# Altium PCB TIDA-010933-RevA.PcbDoc (part 4 of 9) (continued)
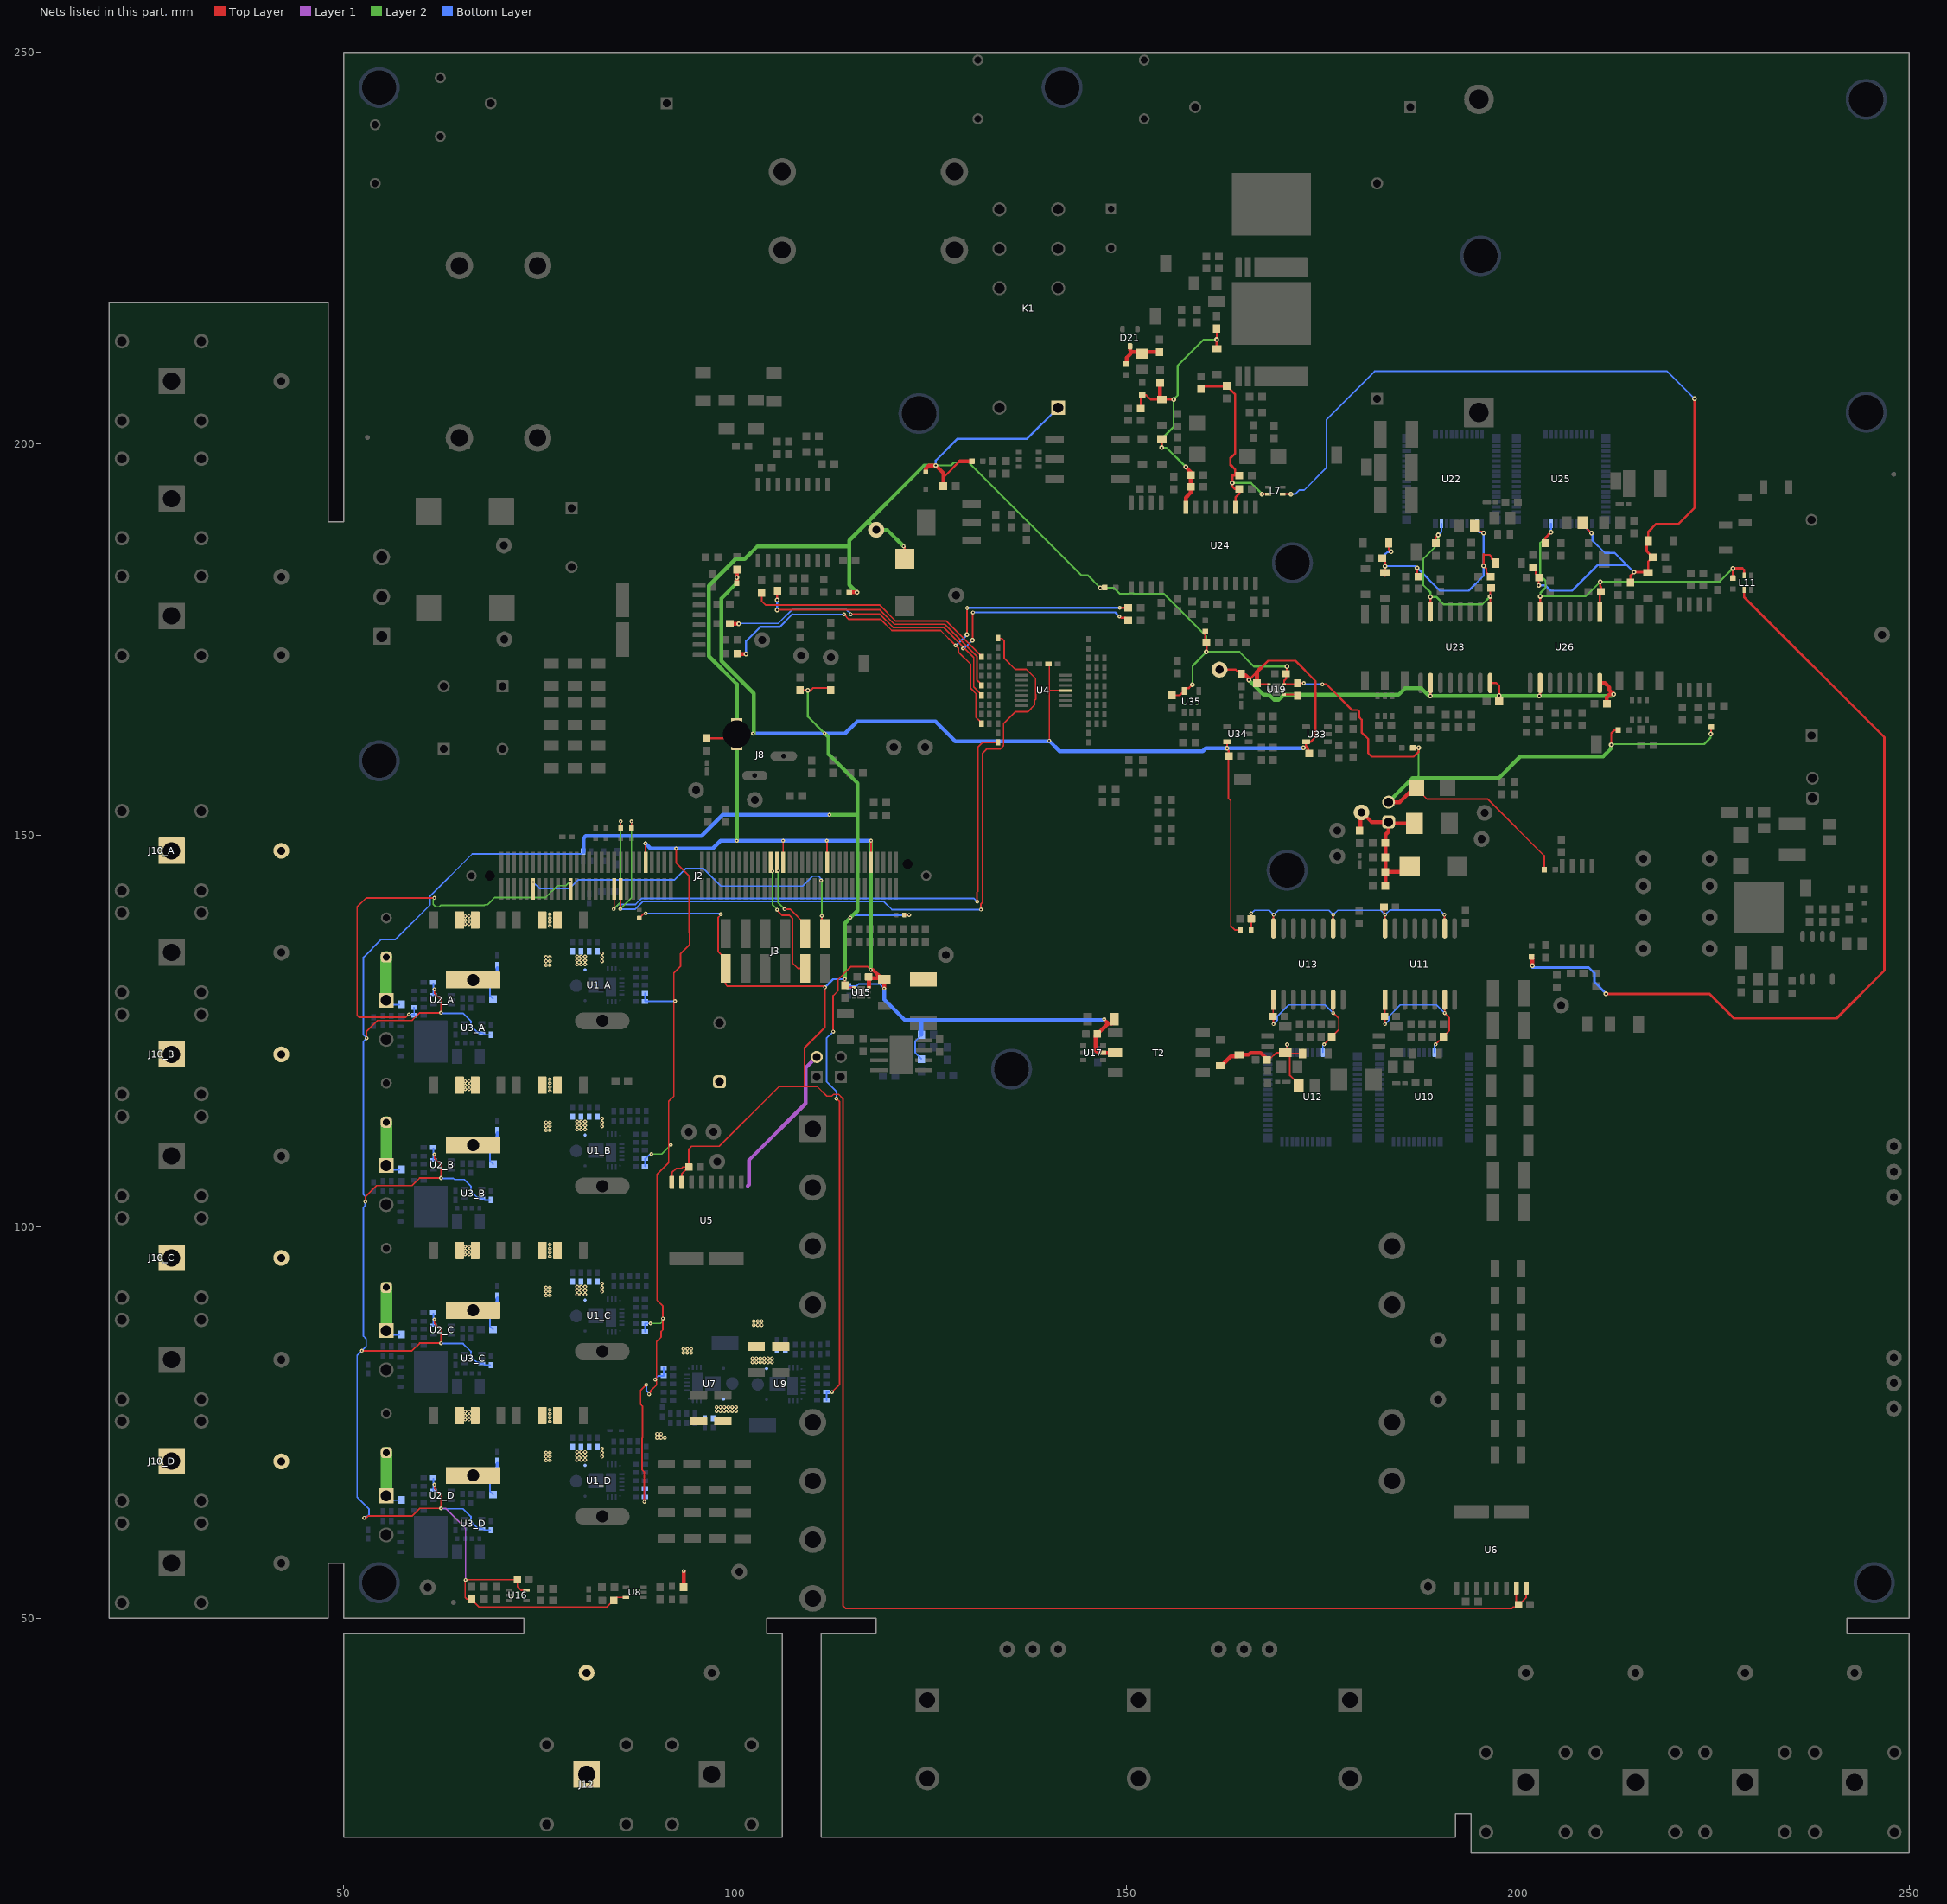
[diagram p6: the nets of this part, all layers, seen from the top]
## Part data (continued)
R139: library part CMP-0023404-3, "RES, 10.0 k, 0.1%, 0.1 W, 0603", Manufacturer="Susumu Co Ltd", Power_W=100mW, Supplier Part Number 1=RG16P10.0KBCT-ND, TempCo="25 ppm/C", Tolerance_%=0.1%, Value2=0.1W, Value_Code=10k0, ValueDisplayed=10.0k, AEC Category=Q200, AEC Qualified=?, ComponentLink1Description="Datasheet link", ComponentLink1URL=http://www.susumu.co.jp/english/pdf/products-j01-01.pdf, CompType=Resistor, EIA_Code=E192, LatestRevisionDate=2017-03-09, MountType=SMT, PackageReference=0603, PartNumber=RG1608P-103-B-T5, Published=2008-06-26, Publisher="Texas Instruments", Res_ohm=10k, RoHS=Y, SizeArea_mm2=1.28, SizeX_mm=1.6, SizeY_mm=0.8, SizeZ_mm=1, Supplier 1=Digi-Key, Supplier 2=Mouser, Supplier 3=Farnell, Supplier Part Number 2=754-RG1608P-103-B-T5, Supplier Part Number 3=1797079, Technology="Metal Film", U/M=EA, Value1=0.1%, VDC_V=75V
R141 R142 R143 R144: library part CMP-0023661-3, "RES, 10.0, 0.1%, 0.1 W, 0603", Manufacturer="Yageo America", Power_W=100mW, TempCo="25 ppm/C", Tolerance_%=0.1%, Value2=0.1W, Value_Code=10R0, ValueDisplayed=10.0, AEC Category=Q200, AEC Qualified=?, ComponentLink1Description="Datasheet link", ComponentLink1URL=http://www.yageo.com/pdf/PYu-RT_1-to-0.05_RoHS_L_3.pdf, CompType=Resistor, EIA_Code=E192, LatestRevisionDate=2017-03-09, MountType=SMT, PackageReference=0603, PartNumber=RT0603BRD0710RL, Published=2008-06-26, Publisher="Texas Instruments", Res_ohm=10, RoHS=Y, SizeArea_mm2=1.28, SizeX_mm=1.6, SizeY_mm=0.8, SizeZ_mm=1, Technology="Thin Film", U/M=EA, Value1=0.1%, VDC_V=75V
R146: library part CMP-0097004-1, "PTCEL Series 500 V 60 Ohm ±30 % Radial Inrush Current Limiter PTC Thermistor", Digikey Part Number=BC3317-ND, Hold Current=120mA, Manufacturer="Vishay Bccomponents", Mouser Part Number=594-PTCEL13R600LBE, Operating Temperature Range="-40°C to +105°C", Tolerance_%=30%, AEC Grade="Grade 2", AEC Qualified=Yes, ComponentLink1Description=Datasheet, ComponentLink1URL=https://www.vishay.com/docs/29165/ptcel.pdf, datasheet=https://www.vishay.com/docs/29165/ptcel.pdf, Datasheet Path=datasheets/Res-PTCEL13R600LBE.pdf, Digikey Description="ICL 60 OHM 13MM", helpURL=https://upverter.com/upn/revision/a41b570dcde4aa83/, Lead Free=Yes, PackageReference=RADIAL, Part Number=PTCEL13R600LBE, PartNumber=PTCEL13R600LBE, Res_ohm=60Ω, RoHS=TRUE, Series=PTCEL, SizeZ_mm=17mm, VDC_V=500V
T1: library part CMP-0121418-1, "TRANSFORMER", Manufacturer=Bourns, Operating Temperature Range="-40°C to +125°C", AEC Qualified=No, Datasheet Path=datasheets/Trans-181923.pdf, helpURL=https://upverter.com/upn/revision/4416aa2755af3085/, Ind_H=6µH, Lead Free=Yes, Ns1toNp=3:8, PackageReference=PTH_TRANSFORMER_74MM0_60MM0, Part Number=181923, PartNumber=181923, RoHS=TRUE, SizeZ_mm=28mm
T2: library part CMP-0092459-1, "Forward, Push-Pull Converters For For DC/DC Converters SMPS Transformer 2500Vrms Isolation 400kHz Surface Mount", Digikey Part Number=732-750316819CT-ND, Frequency_Fixed=400kHz, Manufacturer="Wurth Electronics", Mouser Part Number=710-750316819, Operating Temperature Range="-40°C to +125°C", Voltage_Isolation_Vrms=2.5kV, AEC Qualified=No, ComponentLink1Description=Datasheet, ComponentLink1URL=https://www.we-online.com/catalog/datasheet/750316819.pdf, datasheet=https://www.we-online.com/catalog/datasheet/750316819.pdf, Datasheet Path=datasheets/Trans-750316819.pdf, DCR_ohm=0.1, Digikey Description="PUSH-PULL TRANSFORMER TOR5.8/3.1", helpURL=https://upverter.com/upn/revision/523575a3b899e5cb/, Ind_H=86µH, Lead Free=Yes, Ns1toNp=1:2.88, PackageReference=SMT_XFRMR_9MM25_8MM30, Part Number=750316819, PartNumber=750316819, RoHS=TRUE, Rsec1_ohm=0.35, SizeZ_mm=4.1mm, Supplier 1=Digikey, Supplier 2=Mouser, Supplier Part Number 1=732-750316819CT-ND, Supplier Part Number 2=710-750316819
T3 T4 T5: library part CMP-0037531-1, "Power Transformer 1: 1.3 3100Vrms 2W 6 Terminal Gull Wing SMD", Digikey Part Number=118-PAD002-T764113SCT-ND, Manufacturer=Bourns, Mouser Part Number=652-PAD002-T764113S, Operating Temperature Range="-40°C to +125°C", Voltage_Isolation_Vrms=3100Vrms, AEC Qualified=No, ComponentLink1Description=Datasheet, ComponentLink1URL=https://bourns.com/docs/product-datasheets/PAD00x-T764.pdf, datasheet=https://bourns.com/docs/product-datasheets/PAD00x-T764.pdf, Datasheet Path=datasheets/Trans-PAD002-T764113S.pdf, DCR_ohm=0.65, Digikey Description="PUSH-PULL FUNC-INSULTN 5V 1:1.3", helpURL=https://upverter.com/upn/revision/0b477b52e0d4fb3f/, Ind_H=475µH, Lead Free=Yes, Ns1toNp=1:1.3, PackageReference=SMT_XFRMR_7MM1_6MM5, Part Number=PAD002-T764113S, PartNumber=PAD002-T764113S, RoHS=TRUE, Rsec1_ohm=0.8, SizeZ_mm=4.5mm, Standoff Height=0.1mm, Supplier 1=Digikey, Supplier 2=Mouser, Supplier Part Number 1=118-PAD002-T764113SCT-ND, Supplier Part Number 2=652-PAD002-T764113S
TP1 TP2 TP3 TP4 TP5 TP6 TP7 TP8 TP9 TP10 TP11 TP12 TP13 TP14 TP16 TP17 TP18 TP19 TP20 TP21 TP22 TP23 TP24 TP31 TP32 TP33 TP34 TP35 TP36 TP37 TP39 TP40 TP43 TP44 TP51_A TP51_B TP51_C TP51_D TP54 TP55 TP57 TP58 TP59 TP60 TP61 TP62 TP64 TP65 TP66 TP67 TP68 TP69: library part CMP-0055138-2, "Test Point, Miniature, Black, TH", Color=Black, Manufacturer="Keystone Electronics", Supplier Part Number 1=36-5001-ND, CNHeader=FALSE, ComponentLink1Description="Datasheet URL", ComponentLink1URL=http://www.keyelco.com/userAssets/file/M60-2p60.pdf, CompType="Test Point", ContactFinish=Silver, CT=TRUE, Green_EU RoHS=Passed, Green_EU RoHS-2=Incomplete, Green_Lifecycle=Active, Green_REACh=Passed, LatestRevisionDate=26/05/2017, MountType=TH, PackageReference="Black Miniature Testpoint", PartNumber=5001, Publisher="Texas Instruments", RoHS=Y, Supplier 1=Digi-Key, Supplier 2=Mouser, Supplier Part Number 2=534-5001
TP15 TP25 TP26 TP50_A TP50_B TP50_C TP50_D TP52 TP53 TP56: library part CMP-0055137-2, "Test Point, Miniature, Red, TH", Color=Red, Manufacturer="Keystone Electronics", Supplier Part Number 1=36-5000-ND, CNHeader=FALSE, ComponentLink1Description="Datasheet URL", ComponentLink1URL=http://www.keyelco.com/userAssets/file/M60-2p60.pdf, CompType="Test Point", ContactFinish=Silver, CT=TRUE, Green_EU RoHS=Passed, Green_EU RoHS-2=Incomplete, Green_Lifecycle=Active, Green_REACh=Passed, LatestRevisionDate=26/05/2017, MountType=TH, PackageReference="Red Miniature Testpoint", PartNumber=5000, Publisher="Texas Instruments", RoHS=Y, Supplier 1=Digi-Key, Supplier 2=Mouser, Supplier Part Number 2=534-5000
TP27 TP28 TP29 TP30 TP45 TP46 TP47 TP63 TP70 TP71 TP72 TP73 TP74: library part CMP-0003968-1, "Test Point, SMT", Manufacturer=Harwin, Supplier Part Number 1=952-2664-1-ND, ComponentLink1Description="Datasheet Link", ComponentLink1URL=https://cdn.harwin.com/pdfs/S2751R.pdf, CompType="Test Point", Key=S2751-46R, LatestRevisionDate=2017-03-09, MountType=SMT, PackageReference="Test Point, SMT", PartNumber=S2751-46R, Publisher="Texas Instruments", RoHS=Y, Supplier 1=Digi-Key, Supplier 2=Newark, Supplier 3=Mouser, Supplier Part Number 2=76Y5390, Supplier Part Number 3=855-S2751-46R
TP38: library part CMP-0055139-2, "Test Point, Miniature, White, TH", Color=White, Manufacturer="Keystone Electronics", Supplier Part Number 1=36-5002-ND, CNHeader=FALSE, ComponentLink1Description="Datasheet URL", ComponentLink1URL=http://www.keyelco.com/userAssets/file/M60-2p60.pdf, CompType="Test Point", ContactFinish=Silver, CT=TRUE, Green_EU RoHS=Passed, Green_EU RoHS-2=Passed, Green_Lifecycle=Active, Green_REACh=Passed, LatestRevisionDate=26/05/2017, MountType=TH, PackageReference="White Miniature Testpoint", PartNumber=5002, Publisher="Texas Instruments", RoHS=Y, Supplier 1=Digi-Key, Supplier 2=Newark, Supplier 3=Mouser, Supplier Part Number 2=82H9632, Supplier Part Number 3=534-5002
TP41: library part CMP-0055141-2, "Test Point, Miniature, Yellow, TH", Color=Yellow, Manufacturer="Keystone Electronics", Supplier Part Number 1=36-5004-ND, CNHeader=FALSE, ComponentLink1Description="Datasheet URL", ComponentLink1URL=http://www.keyelco.com/userAssets/file/M60-2p60.pdf, CompType="Test Point", ContactFinish=Silver, CT=TRUE, Green_EU RoHS=Passed, Green_EU RoHS-2=Incomplete, Green_Lifecycle=Active, Green_REACh=Passed, LatestRevisionDate=26/05/2017, MountType=TH, PackageReference="Yellow Miniature Testpoint", PartNumber=5004, Publisher="Texas Instruments", RoHS=Y, Supplier 1=Digi-Key, Supplier 2=Mouser, Supplier Part Number 2=534-5004
TP42: library part CMP-0055140-2, "Test Point, Miniature, Orange, TH", Color=Orange, Manufacturer="Keystone Electronics", Supplier Part Number 1=36-5003-ND, CNHeader=FALSE, ComponentLink1Description="Datasheet URL", ComponentLink1URL=http://www.keyelco.com/userAssets/file/M60-2p60.pdf, CompType="Test Point", ContactFinish=Silver, CT=TRUE, Green_EU RoHS=Passed, Green_EU RoHS-2=Incomplete, Green_Lifecycle=Active, Green_REACh=Passed, LatestRevisionDate=26/05/2017, MountType=TH, PackageReference="Orange Miniature Testpoint", PartNumber=5003, Publisher="Texas Instruments", RoHS=Y, Supplier 1=Digi-Key, Supplier 2=Mouser, Supplier Part Number 2=534-5003
TP48 TP49: library part CMP-0055152-2, "Test Point, Miniature, SMT", Manufacturer="Keystone Electronics", Supplier Part Number 1=36-5015TR-ND, CNHeader=FALSE, ComponentLink1Description="Datasheet URL", ComponentLink1URL=http://www.keyelco.com/userAssets/store/files/5015.PDF, CompType="Test Point", CT=TRUE, Green_EU RoHS=Passed, Green_EU RoHS-2=Incomplete, Green_Lifecycle=Active, Green_REACh=Passed, LatestRevisionDate=26/05/2017, MountType=SMT, PackageReference=Testpoint_Keystone_Miniature, PartNumber=5015, Publisher="Texas Instruments", RoHS=Y, Supplier 1=Digi-Key, Supplier 2=Mouser, Supplier Part Number 2=534-5015
U1_A U1_B U1_C U1_D U7 U9: library part CMP-0120692-1, "100-V, 53-A GaN Half-Bridge Power Stage", Manufacturer="Texas Instruments", Max Supply Voltage=5.25V, Min Supply Voltage=4.75V, Nominal Supply Current=12mA, Operating Temperature Range="-40°C to +125°C", AEC Qualified=No, helpURL=https://upverter.com/upn/revision/6cbafed2923246a8/, Number Of Outputs=1, PackageReference=VQFN-FCRLF16, Part Number=LMG2100R044, PartNumber=LMG2100R044, RoHS=UNKNOWN, SizeZ_mm=0.85mm, Standoff Height=0mm, TJmax_C=+125°C
U2_A U2_B U2_C U2_D U8 U16: library part CMP-0081556-1, "Low-Power, Rail-to-Rail In and Out, 1-MHz Operational Amplifier, DCK0005A (SOT-SC70-5)", Alternate Manufacturer="Texas Instruments", Alternate PartNumber=TLV9001IDCKT, AEC Category=Q200, AEC Qualified=N, ComponentLink1Description="Datasheet Link", ComponentLink1URL=http://www.ti.com/lit/ds/symlink/tlv9001.pdf, ComponentLink2Description="Product Folder", ComponentLink2URL=http://www.ti.com/product/tlv9001, ComponentLink3Description="Online Datasheet", ComponentLink3URL=http://www.ti.com/product/tlv9001/datasheet, CompType=IC, Manufacturer="Texas Instruments", MountType=SMT, PackageDescription=SOT-SC70-5, PackageReference=DCK0005A, PartNumber=TLV9001IDCKR, SizeArea_mm2=4.2, SizeAreaWB_mm2=9.3, SizeX_mm=2.1, SizeY_mm=2, SizeZ_mm=1.1
U3_A U3_B U3_C U3_D: library part CMP-0121179-1, "Bidirectional, Low- and High-Side Voltage Output, Current-Sense Amplifiers", Digikey Part Number=296-INA181A3IDCKRTR-ND, Input Bias Current=75uA, Input Offset Voltage=0.1mV, Manufacturer="Texas Instruments", Max Supply Voltage=5.5V, Min Supply Voltage=2.7V, Mouser Part Number=595-INA181A3IDCKR, Nominal Supply Current=195uA, Operating Temperature Range="-40°C to +125°C", Voltage Gain=0.1V/mV, AEC Qualified=No, Bandwidth=150kHz, ComponentLink1Description=Datasheet, ComponentLink1URL=https://www.ti.com/lit/ds/symlink/ina181.pdf, datasheet=https://www.ti.com/lit/ds/symlink/ina181.pdf, Datasheet Path=datasheets/IC-INA181A3IDCKR.pdf, Digikey Description=IC, helpURL=https://upverter.com/upn/revision/d8117208d90cf8f1/, Lead Free=Yes, Number Of Channels=1, PackageReference=SC70-6, Part Number=INA181A3IDCKR, PartNumber=INA181A3IDCKR, RoHS=TRUE, SizeZ_mm=1.1mm, Standoff Height=0mm, TaMax_C=+125°C, TaMin_C=-40°C, TJmax_C=+150°C
U4: library part CMP-0121217-1, "Zero-Drift Amplifier 4 Circuit Rail-to-Rail 14-TSSOP", Digikey Part Number=296-OPA4388IPWRCT-ND, Input Bias Current=0.00003uA, Input Offset Voltage=0.00225mV, Manufacturer="Texas Instruments", Max Dual Supply Voltage=2.75V, Max Supply Voltage=5.5V, Min Dual Supply Voltage=1.25V, Min Supply Voltage=2.5V, Mouser Part Number=595-OPA4388IPWR, Nominal Supply Current=1.7-1.9mA, Operating Temperature Range="-40°C to +125°C", Output Current Per Channel=60mA, Voltage Gain=126dB, AEC Qualified=No, ComponentLink1Description=Datasheet, ComponentLink1URL=https://www.ti.com/lit/ds/symlink/opa4388.pdf?ts=1615809516959&ref_url=https%253A%252F%252Fwww.ti.com%252Fproduct%252FOPA4388%253FkeyMatch%253DOPA4388IPWR%2526tisearch%253DSearch-EN-everything%2526usecase%253DOPN, datasheet=https://www.ti.com/lit/ds/symlink/opa4388.pdf?ts=1615809516959&ref_url=https%253A%252F%252Fwww.ti.com%252Fproduct%252FOPA4388%253FkeyMatch%253DOPA4388IPWR%2526tisearch%253DSearch-EN-everything%2526usecase%253DOPN, Datasheet Path=datasheets/IC-OPA4388IPWR.pdf, Digikey Description="IC OPAMP ZER-DRIFT 4CIRC 14TSSOP", Gain Bandwidth=10MHz, helpURL=https://upverter.com/upn/revision/38c17684e2773244/, Lead Free=Yes, Mouser Description="Op Amp Quad Zero Drift Amplifier R-R I/O ±2.75V/5.5V 14-Pin TSSOP T/R", Number Of Channels=4, PackageReference=TSSOP14, Part Number=OPA4388IPWR, PartNumber=OPA4388IPWR, Response Time=0.75us, RoHS=TRUE, SizeZ_mm=1.2mm, Standoff Height=0.05mm, TaMax_C=+150°C, TaMin_C=-55°C, TJmax_C=+150°C
U5: library part CMP-0097985-1, Manufacturer="Texas Instruments", Operating Temperature Range=to, Datasheet Path=datasheets/IC-TMCS1133B2QDVGR.pdf, helpURL=https://upverter.com/upn/revision/bf50284191f03d6c/, PackageReference=SOIC10, Part Number=TMCS1133B2QDVGR, PartNumber=TMCS1133B2QDVGR, RoHS=UNKNOWN, SizeZ_mm=2.65mm, Standoff Height=0.1mm
U6: library part CMP-0097987-1, Manufacturer="Texas Instruments", Operating Temperature Range=to, Datasheet Path=datasheets/IC-TMCS1133B4QDVGR.pdf, helpURL=https://upverter.com/upn/revision/ca2288f0ac17ff21/, PackageReference=SOIC10, Part Number=TMCS1133B4QDVGR, PartNumber=TMCS1133B4QDVGR, RoHS=UNKNOWN, SizeZ_mm=2.65mm, Standoff Height=0.1mm
U10 U12 U22 U25: library part CMP-0089967-3, "650-V 30-mΩ GaN FET with Integrated Driver and Protection", Manufacturer="Texas Instruments", Max Supply Voltage=18V, Min Supply Voltage=7.5V, Nominal Supply Current=16mA, Operating Temperature Range="-40°C to +125°C", Output Voltage=520V, Part Number=LMG3522R050Q, AEC Category=Q200, AEC Grade="Grade 1", AEC Qualified=Yes, ComponentLink1Description="Datasheet Link", ComponentLink1URL=http://www.ti.com/lit/ds/symlink/GPN.pdf, ComponentLink2Description="Product Folder", ComponentLink2URL=http://www.ti.com/product/GPN, ComponentLink3Description="Online Datasheet", ComponentLink3URL=http://www.ti.com/product/GPN/datasheet, CompType=IC, Datasheet Path=datasheets/IC-LMG3522R030Q.pdf, helpURL=https://upverter.com/upn/revision/5d47e7f0436b8598/, Number Of Outputs=1, PackageReference=VQFN52, PartNumber=LMG3522R050Q, RoHS=UNKNOWN, SizeZ_mm=1mm, Standoff Height=0mm, TJmax_C=+125°C
  U10 U12: PartId=1
U11 U13 U23 U26: library part CMP-04872-000092-1, "DGTL ISO 5000VRMS 4CH GP 16SOIC", Case/Package=SOIC, Manufacturer="Texas Instruments", Max Operating Temperature=125°C, Max Supply Voltage=5.5V, Min Operating Temperature=-55°C, Min Supply Voltage=2.25V, Lead Free="Lead Free", Number Of Channels=4, Number of Pins=16, PartNumber=ISO7741FDW, Propagation Delay=10.7ns, RoHS Compliant=Yes
U14: library part CMP-0089262-2, Digikey Part Number=296-LM5164DDARCT-ND, Manufacturer="Texas Instruments", Max Supply Voltage=100V, Min Supply Voltage=6V, Mouser Part Number=595-LM5164DDAR, Nominal Supply Current=600uA, Operating Temperature Range="-40°C to +150°C", Output Voltage=1.2-90V, Switching Frequency=1MHz, AEC Category=Q200, AEC Qualified=No, ComponentLink1Description=Datasheet, ComponentLink1URL=http://www.ti.com/lit/ds/symlink/lm5164.pdf, ComponentLink2Description="Product Folder", ComponentLink2URL=http://www.ti.com/product/GPN, ComponentLink3Description="Online Datasheet", ComponentLink3URL=http://www.ti.com/product/GPN/datasheet, CompType=IC, datasheet=http://www.ti.com/lit/ds/symlink/lm5164.pdf, Datasheet Path=datasheets/IC-LM5164DDAR.pdf, Device Class L1="Integrated Circuits (ICs)", Device Class L2="Power Management ICs", Device Class L3="Voltage Regulators - Switching", Digikey Description="POWER MANAGEMENT", helpURL=https://upverter.com/upn/revision/f50a14a06c929ee3/, Lead Free=Yes, Max Duty Cycle=99%, Mouser Description="6-V to 100-V input, 1-A synchronous buck DC-DC converter with ultra-low IQ 8-SO PowerPAD -40 to 150", Number Of Outputs=1, Output Type=AdjustableProgrammable, PackageReference=SOPowerPAD8, Part Number=LM5164DDAR, PartNumber=LM5164DDAR, RoHS=TRUE, Standoff Height=0mm, Switching Topology=Buck, TJmax_C=+150°C
U15 U19: library part CMP-0013427-7, "500mA LDO, DRV0006A (WSON-6)", Alternate Manufacturer="Texas Instruments", ComponentLink1Description="Datasheet Link", ComponentLink1URL=https://sps16.itg.ti.com/sites/KMS/crossdivteams/altium/docs/ComponentDatasheets/SBVS320_TLV755_8_3.pdf, CompType=IC, LatestRevisionDate=2017-03-09, Manufacturer="Texas Instruments", MountType=SMT, PackageDescription=WSON-6, PackageReference=DRV0006A, PartNumber=TLV75533PDRVR, Publisher="Texas Instruments", SizeArea_mm2=4, SizeAreaWB_mm2=9, SizeX_mm=2, SizeY_mm=2, SizeZ_mm=0.8, U/M=EA
U17 U20 U21 U27: library part CMP-0076095-1, "Low-Noise 1 A, 420 kHz Transformer Driver, DBV0006A (SOT-23-6)", Alternate Manufacturer="Texas Instruments", Alternate PartNumber=SN6505BDBVT, ComponentLink1Description="Datasheet Link", ComponentLink1URL=http://www.ti.com/lit/ds/symlink/sn6505b.pdf, CompType=IC, Green_EU RoHS=Passed, Green_EU RoHS-2=Passed, Green_Lifecycle=Active, Green_REACh=Passed, LatestRevisionDate=2017-06-09, Manufacturer="Texas Instruments", MountType=SMT, PackageDescription=SOT-23-6, PackageReference=DBV0006A, PartNumber=SN6505BDBVR, Publisher="Texas Instruments", SizeArea_mm2=8.12, SizeAreaWB_mm2=14.82, SizeX_mm=2.8, SizeY_mm=2.9, SizeZ_mm=1.45, U/M=EA
U18: library part CMP-0067230-2, "Constant-Voltage, Constant-Current PWM Controller with Primary-Side Regulation, D0007A (SOIC-7)", Alternate Manufacturer="Texas Instruments", Alternate PartNumber=UCC28710D, AEC Category=Q200, AEC Qualified=N, ComponentLink1Description="Datasheet Link", ComponentLink1URL=http://www.ti.com/lit/ds/symlink/ucc28710.pdf, ComponentLink2Description="Product Folder", ComponentLink2URL=http://www.ti.com/product/ucc28710, CompType=IC, Manufacturer="Texas Instruments", MountType=SMT, PackageDescription=SOIC-7, PackageReference=D0007A, PartNumber=UCC28710DR, RoHS=Y, SizeArea_mm2=29.4, SizeAreaWB_mm2=55.2, SizeX_mm=6.0, SizeY_mm=4.9, SizeZ_mm=1.75, U/M=EA
U24: library part CMP-0083794-2, "Isolated Dual-Channel Gate Driver, DW0016B (SOIC-16)", Alternate Manufacturer="Texas Instruments", Alternate PartNumber=UCC21540DWR, AEC Category=Q200, AEC Qualified=N, ComponentLink1Description="Datasheet Link", ComponentLink1URL=http://www.ti.com/lit/ds/symlink/ucc21540.pdf, ComponentLink2Description="Product Folder", ComponentLink2URL=http://www.ti.com/product/ucc21540, ComponentLink3Description="Online Datasheet", ComponentLink3URL=http://www.ti.com/product/ucc21540/datasheet, CompType=IC, Manufacturer="Texas Instruments", MountType=SMT, PackageDescription=SOIC-16, PackageReference=DW0016B, PartNumber=UCC21540DW, SizeArea_mm2=107.12, SizeAreaWB_mm2=152.52, SizeX_mm=10.4, SizeY_mm=10.3, SizeZ_mm=2.65
U28: library part CMP-0090627-1, "Precision, ±1-V Input, Reinforced Isolated Amplifier With Integrated DC/DC Converter", Input Bias Current=0.01uA, Manufacturer="Texas Instruments", Max Supply Voltage=5.5V, Min Supply Voltage=3V, Nominal Supply Current=27.5-28.5mA, Operating Temperature Range="-40°C to +125°C", AEC Grade="Grade 1", AEC Qualified=Yes, Bandwidth=310kHz, ComponentLink1Description=Datasheet, ComponentLink1URL=https://www.ti.com/lit/gpn/amc3330-q1, datasheet=https://www.ti.com/lit/gpn/amc3330-q1, Datasheet Path=datasheets/IC-AMC3330QDWERQ1.pdf, helpURL=https://upverter.com/upn/revision/3f6b3b6b452970d2/, Lead Free=Yes, Number Of Channels=1, PackageReference=SOIC16, Part Number=AMC3330QDWERQ1, PartNumber=AMC3330QDWERQ1, RoHS=TRUE, SizeZ_mm=2.65mm, Standoff Height=0.1mm, TaMax_C=+125°C, TaMin_C=-40°C, TJmax_C=+150°C
U29 U31: library part CMP-0080671-1, "Precision Reinforced Isolated Amplifier for Current Sensing, DWV0008A (SOIC-8)", Alternate Manufacturer="Texas Instruments", Alternate PartNumber=AMC1302DWVR, AEC Category=Q200, AEC Qualified=N, ComponentLink1Description="Datasheet Link", ComponentLink1URL=http://www.ti.com/lit/ds/symlink/amc1302.pdf, ComponentLink2Description="Product Folder", ComponentLink2URL=http://www.ti.com/product/amc1302, ComponentLink3Description="Online Datasheet", ComponentLink3URL=http://www.ti.com/product/amc1302/datasheet, CompType=IC, Manufacturer="Texas Instruments", MountType=SMT, PackageDescription=SOIC-8, PackageReference=DWV0008A, PartNumber=AMC1302DWV, SizeArea_mm2=67.275, SizeAreaWB_mm2=105.975, SizeX_mm=11.5, SizeY_mm=5.85, SizeZ_mm=2.8
U30: library part CMP-0078341-1, "Precision, 2-V Input, Reinforced Isolated Amplifier, DWV0008A (SOIC-8)", Alternate Manufacturer="Texas Instruments", Alternate PartNumber=AMC1311BDWV, AEC Category=Q200, AEC Qualified=N, ComponentLink1Description="Datasheet Link", ComponentLink1URL=https://sps16.itg.ti.com/sites/KMS/crossdivteams/altium/docs/ComponentDatasheets/AMC1311%20preliminarySBAS786_24May17.pdf, ComponentLink2Description="Product Folder", ComponentLink2URL=TBD, CompType=IC, Manufacturer="Texas Instruments", MountType=SMT, PackageDescription=SOIC-8, PackageReference=DWV0008A, PartNumber=AMC1311BDWVR, SizeArea_mm2=67.275, SizeAreaWB_mm2=105.975, SizeX_mm=11.5, SizeY_mm=5.85, SizeZ_mm=2.8
U32: library part CMP-0096054-1, Manufacturer="Texas Instruments", Operating Temperature Range=to, AEC Qualified=No, Datasheet Path=datasheets/IC-TMCS1123B4QDVGR.pdf, helpURL=https://upverter.com/upn/revision/188549e84019764e/, PackageReference=SOIC10, Part Number=TMCS1123B4QDVGR, PartNumber=TMCS1123B4QDVGR, RoHS=UNKNOWN, SizeZ_mm=2.65mm, Standoff Height=0.1mm
U33 U34: library part CMP-0051583-2, "Enhanced Product Single 2-Input Positive-And Gate, DBV0005A, LARGE T&R", Alternate Manufacturer="Texas Instruments", F @ Nom Voltage(Max)(Mhz)=150, Generic Part Number=SN74LVC1G08-EP, ICC @ Nom Voltage(Max)(mA)=0.01, Operating Temperature Range(C)="-40 to 85,-55 to 125", Rating="HiRel Enhanced Product", tpd @ Nom Voltage(Max)(ns)=8,5.5,4.5,4, Voltage(Nom)(V)=1.8,2.5,3.3,5, 3-State Output=No, AEC Category=Q200, AEC Qualified=N, Bits(#)=1, ComponentLink1Description="Datasheet Link", ComponentLink1URL=http://www.ti.com/lit/ds/symlink/SN74LVC1G08-EP.pdf, ComponentLink2Description="Product Folder", ComponentLink2URL=http://www.ti.com/product/SN74LVC1G08-EP, CompType=IC, DatasheetVersion=SCES454C, Gate Type=AND, Input Type=CMOS/TTL, Logic=True, Manufacturer="Texas Instruments", MountType=SMT, Output Drive (IOL/IOH)(Max)(mA)=32/-32, Output Type=CMOS, PackageDescription=DSBGA-5, PackageReference=DBV0005A, PartNumber=SN74LVC1G08MDBVREP, RoHS=Y, Schmitt Trigger=No, Sub-Family="AND Gate", Technology Family=LVC, VCC(Max)(V)=5.5, VCC(Min)(V)=1.65
U35: library part CMP-0051643-2, "Single Schmitt-Trigger Inverter, DBV0005A, SMALL T&R", Alternate Manufacturer="Texas Instruments", Alternate PartNumber=SN74LVC1G14DBVR, F @ Nom Voltage(Max)(Mhz)=150, Generic Part Number=SN74LVC1G14, ICC @ Nom Voltage(Max)(mA)=0.01, Operating Temperature Range(C)="-40 to 125,-40 to 85", Rating=Catalog, tpd @ Nom Voltage(Max)(ns)=11,6.5,5.5,5, Voltage(Nom)(V)=1.8,2.5,3.3,5, 3-State Output=No, AEC Category=Q200, AEC Qualified=N, Bits(#)=1, ComponentLink1Description="Datasheet Link", ComponentLink1URL=http://www.ti.com/lit/ds/symlink/sn74lvc1g14.pdf, ComponentLink2Description="Product Folder", ComponentLink2URL=http://www.ti.com/product/sn74lvc1g14, ComponentLink3Description="Online Datasheet", ComponentLink3URL=http://www.ti.com/product/sn74lvc1g14/datasheet, CompType=IC, DatasheetVersion=SCES218W, Input Type=CMOS/TTL, Logic=Inverting, Manufacturer="Texas Instruments", MountType=SMT, Output Drive (IOL/IOH)(Max)(mA)=32/-32, Output Type=CMOS, PackageDescription=SOT-23-5, PackageReference=DBV0005A, PartNumber=SN74LVC1G14DBVT, RoHS=Y, Schmitt Trigger=Yes, SizeArea_mm2=8.12, SizeAreaWB_mm2=14.82, SizeX_mm=2.8, SizeY_mm=2.9, SizeZ_mm=1.45, Sub-Family="Inverting Buffer/Driver", Technology Family=LVC, VCC(Max)(V)=5.5, VCC(Min)(V)=1.65
ZZ1: library part CMP-0077236-1, ClassName=AssemblyNote, CompType=AssemblyNote, Key=AssemblyNote, LatestRevisionDate=2017-08-10, Publisher="Texas Instruments"
ZZ2: library part CMP-0077237-1, ClassName=AssemblyNote, CompType=AssemblyNote, Key=AssemblyNote, LatestRevisionDate=2017-08-10, Publisher="Texas Instruments"
ZZ3: library part CMP-0077238-1, ClassName=AssemblyNote, CompType=AssemblyNote, Key=AssemblyNote, LatestRevisionDate=2017-08-10, Publisher="Texas Instruments"

## Free pads (board coordinates)
  round 3.5 hole 2.2: 4(106,234.75) 5(106,224.75) 6(128,234.75) 7(128,224.75) 8(74.75,222.75) 9(64.75,222.75) 10(64.75,200.75) 11(74.75,200.75)

## Via types
v1: diameter 0.5, hole 0.2, Top Layer to Bottom Layer, tented both sides, 1458 vias
v2: diameter 0.61, hole 0.254, Top Layer to Bottom Layer, tented both sides, 1311 vias
v3: diameter 0.63, hole 0.33, Top Layer to Bottom Layer, 6 vias
v4: diameter 0.5, hole 0.2, Top Layer to Bottom Layer, 4 vias
v5: diameter 0.61, hole 0.203, Top Layer to Bottom Layer, tented both sides, 4 vias

## Nets (pads, with @x,y where several pads share a name; then routed paths per layer and width w, separated by ;. In a path a pad name is that pad's centre, name@x,y a point inside that pad or via, vN(x,y) a via of type N, cw(c..) or ccw(c..) an arc to the next point about the centre after c; other vN are vias at no path point)
3V3: C6_A.1 C6_B.1 C6_C.1 C6_D.1 C19_A.1 C19_B.1 C19_C.1 C19_D.1 C23.1 C43.1 C44.1 C45.1 C105.1 C108.1 C121.1 C135.1 C154.1 C213.1 C214.1 FB1.1 FB9.2 J3.1 R2.2 R65.1 R71.1 R89.2 R145.2 R152.2 R153.1 R185.1 TP26.1 U2_A.5 U2_B.5 U2_C.5 U2_D.5 U3_A.3 U3_B.3 U3_C.3 U3_D.3 U4.4 U5.9 U5.10 U6.9 U6.10 U8.5 U15.1 U16.5 U19.1 U23.10 U23.16 U26.10 U26.16 U33.5 U34.5 | length 797.2
  Top Layer w0.2: v1(52.3,84.128) 58.7,84.128 59.672,85.1 v1(62.4,85.1) 62.4,86.775 61.562,87.613 61.562,88.111 v1(61.568,88.117) ; v1(52.6,62.8) 52.657,62.857 52.929,62.857 53.1,63.028 58.7,63.028 59.672,64 v1(62.4,64) 62.4,65.675 61.562,66.513 61.562,67.011 v1(61.568,67.017) ; v1(52.75,103.17) 52.75,103.784 54.194,105.228 58.7,105.228 59.672,106.2 v1(62.4,106.2) 62.4,107.875 61.562,108.713 61.562,109.211 v1(61.568,109.217) ; v1(52.9,124.07) 52.9,124.93 54.298,126.328 58.714,126.328 58.793,126.407 ; 58.786,126.414 59.672,127.3 v1(62.4,127.3) 62.4,128.975 61.562,129.813 61.562,130.311 v1(61.568,130.317) ; 65.483,54.583 65.483,52.617 65.7,52.4 R71.1@66.3,52.4 66.3,52.375 67.275,51.4 83.594,51.4 84.444,52.25 C43.1@84.467,52.25 84.49,52.25 84.867,52.627 U8.5@86.035,52.627 U8.5@86.26,52.627 ; 65.8,54.9 C108.1@72.173,54.9 72.173,54 72.623,53.55 U16.5@73.325,53.55 ; R185.1@87.743,139.435 87.793,139.435 v1@88.301,139.943 ; U5.10@91.895,105.65 91.895,106.879 92.466,107.45 93.144,107.45 93.294,107.6 C44.1@94.05,107.6 ; U5.9@93.165,105.65 93.165,106.715 C44.1@94.05,107.6 ; v1(98.143,139.9) 98.143,139.819 97.8,139.476 97.8,135.133 98.75,134.183 J3.1@98.75,132.978 98.75,130.95 99,130.7 100,130.7 ; v1(114,131.6) C105.1@114,130.8 114.25,130.55 U15.1@115.125,130.55 ; C23.1@140,171.863 140.117,171.746 140.117,168.484 ; v1(140.1,162.062) 140.117,162.079 140.117,168.484 ; U4.4@142.164,168.484 140.117,168.484 ; C214.1@163.028,160.124 163,160.095 163,154.7 163.3,154.4 163.3,138.4 163.8,137.9 FB1.1@164.5,137.9 ; U6.9@199.775,53.825 199.775,51.998 C45.1@200.073,51.7 ; U6.10@201.045,53.825 201.045,52.649 200.096,51.7 C45.1@200.073,51.7 ; C44.1@94.05,107.6 C44.1@94.073,107.6 94.073,109.9 94.435,110.262 97.962,110.262 105.6,117.9 108.851,117.9 110.45,117.9 111.691,116.659 112.328,116.659 112.55,116.881 113.208,116.881 113.758,116.331 113.758,115.067 113.768,115.057 113.768,51.551 114.12,51.2 199.2,51.2 199.421,51.421 199.795,51.421 C45.1@200.073,51.7
  Top Layer w0.254: 100,130.7 111.3,130.7 v1(111.45,130.55) 111.423,130.523 111.423,125.423 108.851,122.851 108.851,117.9 ; R152.2@108.281,168.517 v2(109.28,168.517) ; v2@109.572,168.435 109.931,168.794 R153.1@112.203,168.794 ; R65.1@121.6,139.8 122.207,139.8 v1(122.21,139.803) ; TP26.1@161.864,171.136 163.924,171.136 R89.2@164.647,170.413 ; v2(162.83,161.096) U34.5@162.83,161.949 ; C214.1@163.028,160.124 163.028,160.802 ; v2(165.605,169.806) 166.647,170.849 ; C121.1@166.647,169.413 166.797,169.263 U19.1@168.172,169.263 ; 167.135,171.336 168.077,172.278 171.545,172.278 174.132,169.692 174.132,162.524 173.55,161.942 U33.5@172.926,161.942 172.926,161.368 173.148,161.146 ; v2(172.582,161.146) 173.148,161.146 ; C213.1@173.332,160.421 173.197,160.555 173.197,161.097 173.148,161.146 ; v2(188.825,167.767) U23.10@188.825,169.434 ; U23.16@196.445,169.434 197.226,169.434 197.588,169.073 C135.1@197.588,167.083 ; v2@202.825,168.051 U26.10@202.825,169.434